# Altium PCB LimeSDR-Micro_M.2_1v0.PcbDoc (part 1 of 7) (continued)
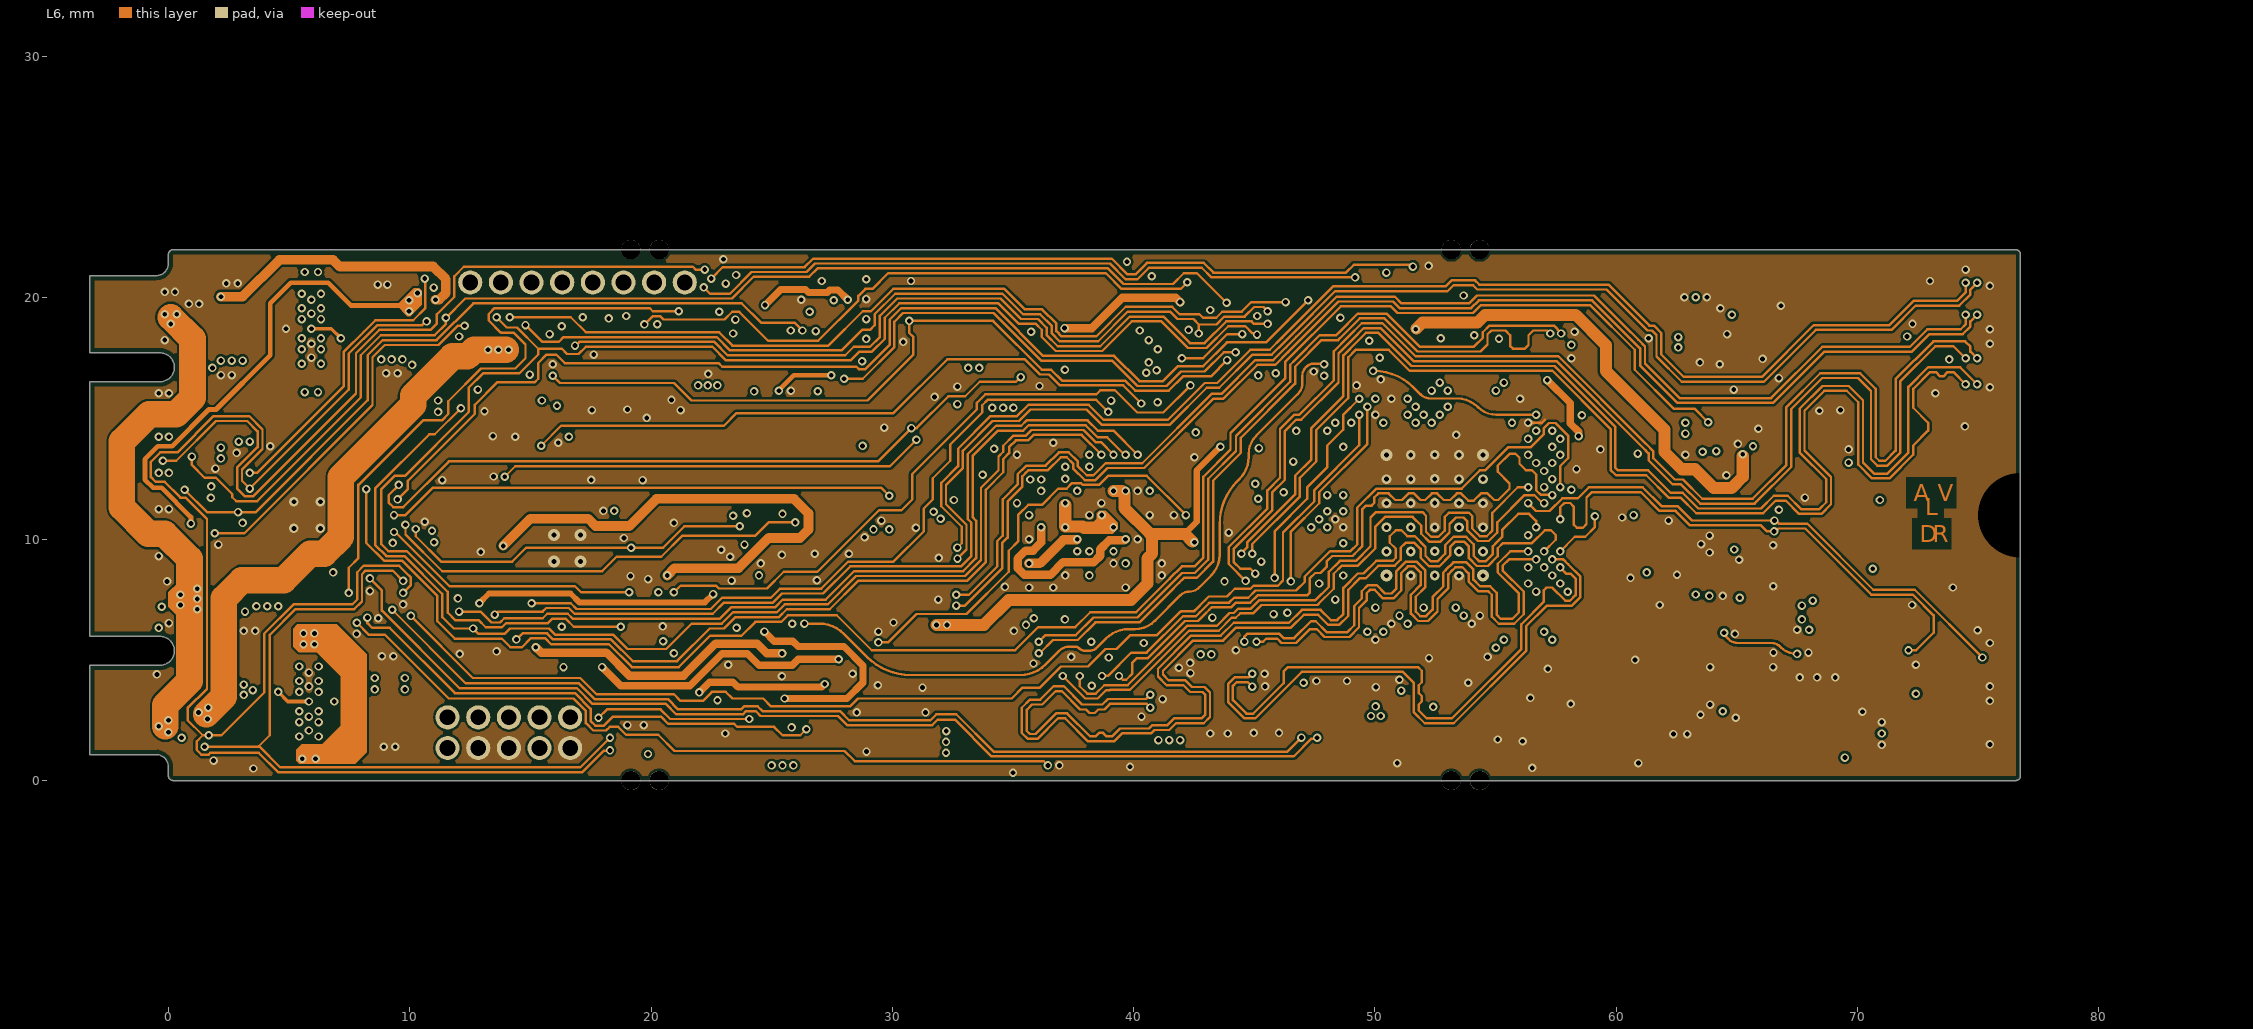
[diagram p6: L6]
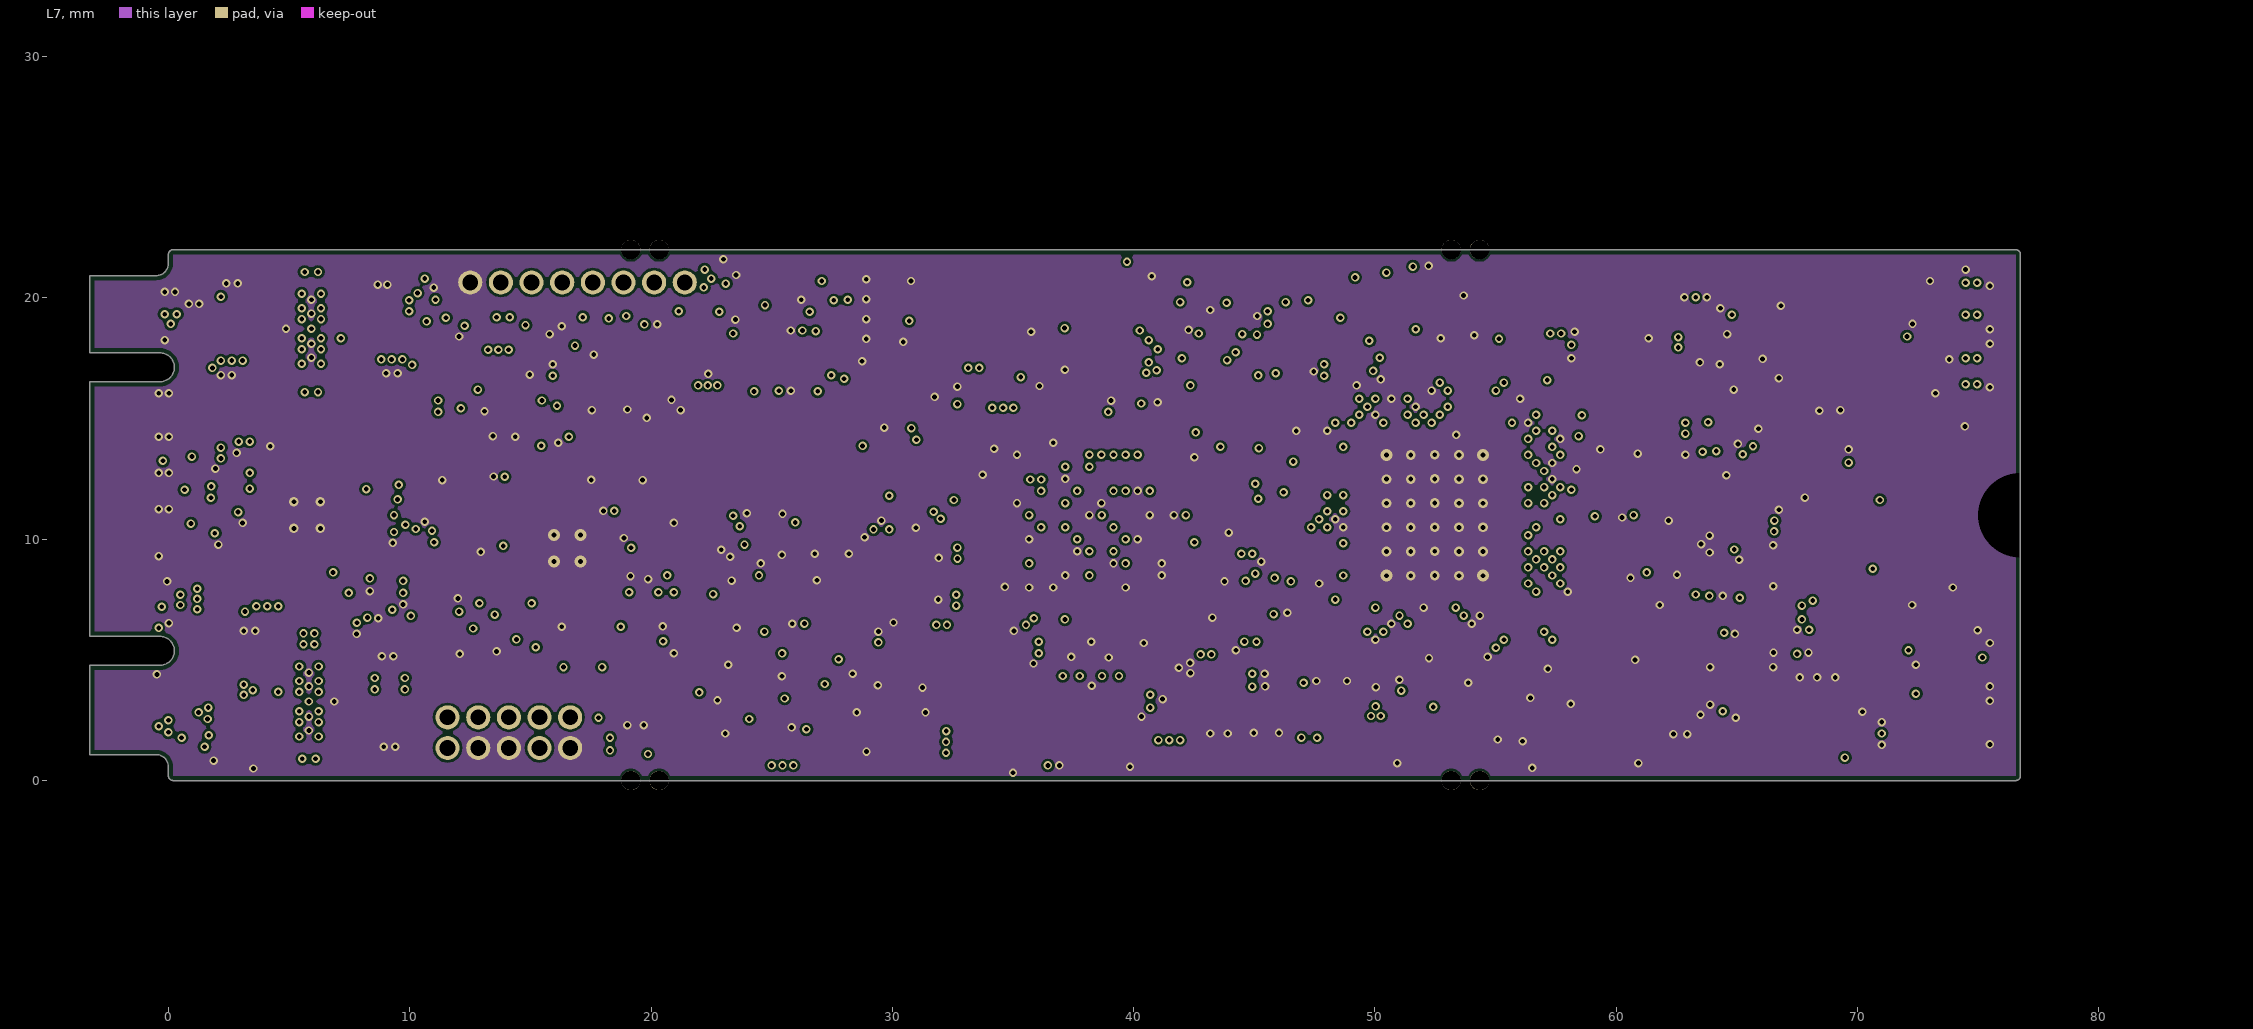
[diagram p7: L7]

## Layer stack, top to bottom
TopSolder: solder mask 0.0102, Solder Resist, Dk 3.5
Top: signal copper 0.0178
Dielectric1: prepreg 0.075, PP-006, Dk 4.1
L2: signal copper 0.0356
Dielectric2: core 0.075, Core-009, Dk 4.5
L3: signal copper 0.03
Dielectric3: prepreg 0.075, PP-006, Dk 4.1
L4: signal copper 0.034
Dielectric 4: core 0.1, Core-009, Dk 4.5
L5: signal copper 0.03
Dielectric 10: prepreg 0.075, PP-006, Dk 4.1
L6: signal copper 0.03
Dielectric 11: core 0.075, Core-009, Dk 4.5
L7: signal copper 0.03
Dielectric 8: prepreg 0.075, PP-006, Dk 4.1
Bottom: signal copper 0.0178
BottomSolder: solder mask 0.0102, Solder Resist, Dk 3.5

## Board outline
-3.25,1.075 -3.25,4.775 -0.35,4.775 ccw(c-0.35,5.375) -0.35,5.975 -3.25,5.975 -3.25,16.525 -0.35,16.525 ccw(c-0.35,17.125) -0.35,17.725 -3.25,17.725 -3.25,20.925 -0.5,20.925 ccw(c-0.5,21.425) 0,21.425 0,21.8 cw(c0.2,21.8) 0.2,22 76.55,22 cw(c76.55,21.8) 76.75,21.8 76.75,0.2 cw(c76.55,0.2) 76.55,0 0.2,0 cw(c0.2,0.2) 0,0.2 0,0.575 ccw(c-0.5,0.575) -0.5,1.075

## Design rules (kind name [scope] priority, off if disabled: settings)
BoardOutlineClearance [All] p1: gap=0.2 ignorepadtopadclearanceinfootprint=FALSE
Clearance [All] p1: gap=0.1 ignorepadtopadclearanceinfootprint=FALSE
ComponentClearance ComponentClearance_PCIE [HasFootprint('PCIE_M.2_2280_B+M_KEY')] p1: gap=-1 collisioncheckmode=3 verticalgap=2540 showdistances=FALSE
ComponentClearance ComponentClearance_CLK_RES [InComponent('IC7') vs InComponent('R75') or InComponent('R74') or InComponent('R84')or InComponent('C131')] p2: gap=-1 collisioncheckmode=3 verticalgap=2540 showdistances=FALSE
ComponentClearance ComponentClearance_RF_SHIELD [InComponent('MECH*') or InComponent('J3')] p3: gap=-10 collisioncheckmode=3 verticalgap=2540 showdistances=FALSE
ComponentClearance [All] p4: gap=0.01 collisioncheckmode=3 verticalgap=0.254 showdistances=FALSE
DiffPairsRouting DiffPairsRouting_USB3 [InNetClass('FX3_DATA')] p1: maxlimit=0.3 minlimit=0.1 mostfreqgap=0.14 toplayer_minwidth=0.2 toplayer_maxwidth=0.2 toplayer_prefwidth=0.2 midlayer1_minwidth=0.2 midlayer1_maxwidth=0.2 midlayer1_prefwidth=0.2 midlayer2_minwidth=0.2 midlayer2_maxwidth=0.2 midlayer2_prefwidth=0.2 midlayer3_minwidth=0.2 midlayer3_maxwidth=0.2 midlayer3_prefwidth=0.2 midlayer4_minwidth=0.2 midlayer4_maxwidth=0.2 midlayer4_prefwidth=0.2 midlayer7_minwidth=0.2 midlayer7_maxwidth=0.2 midlayer7_prefwidth=0.2 midlayer9_minwidth=0.2 midlayer9_maxwidth=0.2 midlayer9_prefwidth=0.2 bottomlayer_minwidth=0.2 bottomlayer_maxwidth=0.2 bottomlayer_prefwidth=0.2 maxuncoupledlength=12.7
DiffPairsRouting DiffPairsRouting_USB3_XTAL [InNet('FX3_XTAL_N') or InNet('FX3_XTAL_P')] p2: maxlimit=0.2 minlimit=0.1 mostfreqgap=0.1 toplayer_minwidth=0.1 toplayer_maxwidth=0.4 toplayer_prefwidth=0.1 midlayer1_minwidth=0.1 midlayer1_maxwidth=0.4 midlayer1_prefwidth=0.1 midlayer2_minwidth=0.1 midlayer2_maxwidth=0.4 midlayer2_prefwidth=0.1 midlayer3_minwidth=0.1 midlayer3_maxwidth=0.4 midlayer3_prefwidth=0.1 midlayer4_minwidth=0.1 midlayer4_maxwidth=0.4 midlayer4_prefwidth=0.1 midlayer7_minwidth=0.1 midlayer7_maxwidth=0.4 midlayer7_prefwidth=0.1 midlayer9_minwidth=0.1 midlayer9_maxwidth=0.4 midlayer9_prefwidth=0.1 bottomlayer_minwidth=0.1 bottomlayer_maxwidth=0.4 bottomlayer_prefwidth=0.1 maxuncoupledlength=0.2
DiffPairsRouting DiffPairsRouting_TX_RF [InNetClass('TX_RF')] p3: maxlimit=0.14 minlimit=0.1 mostfreqgap=0.1 toplayer_minwidth=0.1 toplayer_maxwidth=0.2 toplayer_prefwidth=0.1 midlayer1_minwidth=0.1 midlayer1_maxwidth=0.2 midlayer1_prefwidth=0.1 midlayer2_minwidth=0.1 midlayer2_maxwidth=0.2 midlayer2_prefwidth=0.1 midlayer3_minwidth=0.1 midlayer3_maxwidth=0.2 midlayer3_prefwidth=0.1 midlayer4_minwidth=0.1 midlayer4_maxwidth=0.2 midlayer4_prefwidth=0.1 midlayer7_minwidth=0.1 midlayer7_maxwidth=0.2 midlayer7_prefwidth=0.1 midlayer9_minwidth=0.1 midlayer9_maxwidth=0.2 midlayer9_prefwidth=0.1 bottomlayer_minwidth=0.1 bottomlayer_maxwidth=0.2 bottomlayer_prefwidth=0.1 maxuncoupledlength=0.2
DiffPairsRouting DiffPairsRouting_RX_RF [InNetClass('RX_RF')] p4: maxlimit=0.3 minlimit=0.1 mostfreqgap=0.1 toplayer_minwidth=0.1 toplayer_maxwidth=0.3 toplayer_prefwidth=0.1 midlayer1_minwidth=0.1 midlayer1_maxwidth=0.3 midlayer1_prefwidth=0.1 midlayer2_minwidth=0.1 midlayer2_maxwidth=0.3 midlayer2_prefwidth=0.1 midlayer3_minwidth=0.1 midlayer3_maxwidth=0.3 midlayer3_prefwidth=0.1 midlayer4_minwidth=0.1 midlayer4_maxwidth=0.3 midlayer4_prefwidth=0.1 midlayer7_minwidth=0.1 midlayer7_maxwidth=0.3 midlayer7_prefwidth=0.1 midlayer9_minwidth=0.1 midlayer9_maxwidth=0.3 midlayer9_prefwidth=0.1 bottomlayer_minwidth=0.1 bottomlayer_maxwidth=0.3 bottomlayer_prefwidth=0.1 maxuncoupledlength=0.2
DiffPairsRouting [All] p5: maxlimit=0.3 minlimit=0.1 mostfreqgap=0.1 toplayer_minwidth=0.1 toplayer_maxwidth=0.5 toplayer_prefwidth=0.2 midlayer1_minwidth=0.1 midlayer1_maxwidth=0.5 midlayer1_prefwidth=0.2 midlayer2_minwidth=0.1 midlayer2_maxwidth=0.5 midlayer2_prefwidth=0.2 midlayer3_minwidth=0.1 midlayer3_maxwidth=0.5 midlayer3_prefwidth=0.2 midlayer4_minwidth=0.1 midlayer4_maxwidth=0.5 midlayer4_prefwidth=0.2 midlayer7_minwidth=0.1 midlayer7_maxwidth=0.5 midlayer7_prefwidth=0.2 midlayer9_minwidth=0.1 midlayer9_maxwidth=0.5 midlayer9_prefwidth=0.2 bottomlayer_minwidth=0.1 bottomlayer_maxwidth=0.5 bottomlayer_prefwidth=0.2 maxuncoupledlength=12.7
FabricationTestPointUsage TestPointUsage [All] p1: valid=0 allowmultiple=FALSE
FabricationTestpoint Testpoint [All] p1: side=3 testpointundercomponent=TRUE minsize=1.016 maxsize=2.54 preferedsize=1.524 minholesize=0.508 maxholesize=1.016 preferedholesize=0.813 testpointgrid=0.025 allowsidetop=TRUE allowsidebottom=TRUE usegrid=TRUE gridtolerance=0
Height Height_Bottom [OnBottom] p1: minheight=0 maxheight=10 prefheight=1.35
Height Height_Top [OnTop] p2: minheight=0 maxheight=20 prefheight=1.5
HoleSize [All] p1: absolutevalues=TRUE maxlimit=10 minlimit=0.15 maxpercent=80.000 minpercent=20.000
HoleToHoleClearance [All] p1: gap=0.15 allowstackedmicrovias=TRUE
MatchedLengths MatchedLengths_FT_FIFO [InNetClass('FT_FIFO')] p1: tolerance=5 checknetsindiffpair=FALSE checkdiffpairvsdiffpair=TRUE checkxsignals=TRUE checkothers=TRUE
MatchedLengths MatchedLengths_LMS_PORT1 [InNetClass('LMS_PORT1')] p2: tolerance=7 checknetsindiffpair=FALSE checkdiffpairvsdiffpair=TRUE checkxsignals=TRUE checkothers=TRUE // tolerance increased due to MCLK being longer
MatchedLengths MatchedLengths_LMS_PORT2 [InNetClass('LMS_PORT2')] p3: tolerance=7.5 checknetsindiffpair=FALSE checkdiffpairvsdiffpair=TRUE checkxsignals=TRUE checkothers=TRUE // tolerance increased due to MCLK being longer
MinimumSolderMaskSliver [All] p1: minsoldermaskwidth=0.05
PlaneClearance [All] p1: clearance=0
PolygonConnect PolygonConnect_VCC3P3 [InNet('VCC3P3')] p1: connectstyle=Direct reliefconductorwidth=0.254 reliefentries=4 polygonreliefangle="90 Angle" airgapwidth=0.254
PolygonConnect PolygonConnect_GND_VIA [InNet('GND') and isvia] p2: connectstyle=Direct reliefconductorwidth=0.254 reliefentries=4 polygonreliefangle="90 Angle" airgapwidth=0.254
PolygonConnect PolygonConnect_GND_MMCX [HasFootprint('MMCX_UFL_CONN_V3_M') and IsPad and InNet('GND')] p3: connectstyle=Relief reliefconductorwidth=0.7 reliefentries=4 polygonreliefangle="90 Angle" airgapwidth=0.254
PolygonConnect PolygonConnect_GND [InNet('GND') and (OnTopLayer or OnBottomLayer)] p4: connectstyle=Relief reliefconductorwidth=0.254 reliefentries=4 polygonreliefangle="90 Angle" airgapwidth=0.254
PolygonConnect PolygonConnect_GND_inner [InNet('GND') and not (OnTopLayer or OnBottomLayer)] p5: connectstyle=Direct reliefconductorwidth=0.254 reliefentries=4 polygonreliefangle="90 Angle" airgapwidth=0.254
PolygonConnect PolygonConnect_VCC1P0_INT [InNet('VCC1P0_INT')] p6: connectstyle=Direct reliefconductorwidth=0.254 reliefentries=4 polygonreliefangle="90 Angle" airgapwidth=0.254
PolygonConnect PolygonConnect_2P05 [InNet('VCC2P05')] p7: connectstyle=Direct reliefconductorwidth=0.254 reliefentries=4 polygonreliefangle="90 Angle" airgapwidth=0.254
PolygonConnect PolygonConnect_1P35 [InNet('VCC1P35')] p8: connectstyle=Direct reliefconductorwidth=0.254 reliefentries=4 polygonreliefangle="90 Angle" airgapwidth=0.254
PolygonConnect PolygonConnect_1P35_SW [InNet('VCC1P35_SW')] p9: connectstyle=Direct reliefconductorwidth=0.254 reliefentries=4 polygonreliefangle="90 Angle" airgapwidth=0.254
PolygonConnect PolygonConnect_0P9 [InNet('VCC0P9')] p10: connectstyle=Direct reliefconductorwidth=0.254 reliefentries=4 polygonreliefangle="90 Angle" airgapwidth=0.254
PolygonConnect PolygonConnect_1P5 [InNet('VCC1P5')] p11: connectstyle=Direct reliefconductorwidth=0.254 reliefentries=4 polygonreliefangle="90 Angle" airgapwidth=0.254
PolygonConnect PolygonConnect_VCC_EXT [InNet('VCC_EXT')] p12: connectstyle=Direct reliefconductorwidth=0.254 reliefentries=4 polygonreliefangle="90 Angle" airgapwidth=0.254
PolygonConnect PolygonConnect_VCC1P2_MGTAVTT [InNet('VCC1P2_MGTAVTT')] p13: connectstyle=Direct reliefconductorwidth=0.254 reliefentries=4 polygonreliefangle="90 Angle" airgapwidth=0.254
PolygonConnect PolygonConnect_VCC1P8 [InNet('VCC1P8')] p14: connectstyle=Direct reliefconductorwidth=0.254 reliefentries=4 polygonreliefangle="90 Angle" airgapwidth=0.254
PolygonConnect PolygonConnect_VCC1P8_LMS [InNet('VCC1P8_LMS')] p15: connectstyle=Direct reliefconductorwidth=0.254 reliefentries=4 polygonreliefangle="90 Angle" airgapwidth=0.254
PolygonConnect PolygonConnect_VDIO_LMS [InNet('VDIO_LMS')] p16: connectstyle=Direct reliefconductorwidth=0.254 reliefentries=4 polygonreliefangle="90 Angle" airgapwidth=0.254
PolygonConnect PolygonConnect_VDIO_LMS_FPGA [InNet('VDIO_LMS_FPGA')] p17: connectstyle=Direct reliefconductorwidth=0.254 reliefentries=4 polygonreliefangle="90 Angle" airgapwidth=0.254
PolygonConnect [All] p18: connectstyle=Relief reliefconductorwidth=0.254 reliefentries=4 polygonreliefangle="90 Angle" airgapwidth=0.254
RoutingVias [All] p1: holewidth=0.2 width=0.4 viastyle="Through Hole" minholewidth=0.15 minwidth=0.3 maxholewidth=4.5 maxwidth=5
SilkToSilkClearance [All] p1: silktosilkclearance=0.1
SilkToSolderMaskClearance SilkscreenOverComponentPads [IsPad] p1: minsilkscreentomaskgap=0.1 clearancetoexposedcopper=TRUE
SolderMaskExpansion [All] p1: expansion=0.05
Width Width_ClumsyConnection [All] p1: maxlimit=7 minlimit=0.1 preferedwidth=0.2 checkconnectedcopper=TRUE
Width [All] p2: maxlimit=5 minlimit=0.1 preferedwidth=0.2
19 further rules are at their usual default settings.

## Classes and differential pairs
net class VCC3P3_M.2: VCC3P3_M.2
net class LA_RO1_EXT: LA_RO1_EXT_I_N LA_RO1_EXT_I_P LA_RO1_EXT_Q_N LA_RO1_EXT_Q_P
net class LA_RO0_EXT: LA_RO0_EXT_I_N LA_RO0_EXT_I_P LA_RO0_EXT_Q_N LA_RO0_EXT_Q_P
net class LMS_TX1_BB: LMS_TX1_BB_I_N LMS_TX1_BB_I_P LMS_TX1_BB_Q_N LMS_TX1_BB_Q_P
net class LMS_RX2_BB: LMS_RX2_BB_I_N LMS_RX2_BB_I_P LMS_RX2_BB_Q_N LMS_RX2_BB_Q_P
net class LMS_RX1_BB: LMS_RX1_BB_I_N LMS_RX1_BB_I_P LMS_RX1_BB_Q_N LMS_RX1_BB_Q_P
net class LA_TX: LA_TX_I_N LA_TX_I_P LA_TX_Q_N LA_TX_Q_P
net class LA_RX1: LA_RX1_I_N LA_RX1_I_P LA_RX1_Q_N LA_RX1_Q_P
net class LA_RX0: LA_RX0_I_N LA_RX0_I_P LA_RX0_Q_N LA_RX0_Q_P
net class VCC3P3_RF: VCC3P3_RF
net class VCC1P35_SW: VCC1P35_SW
net class VCC1P35_LDO: VCC1P35_LDO
net class VCC1P8_CLK: VCC1P8_CLK
net class BOM_VER: BOM_VER0 BOM_VER1
net class VCC2P5: VCC2P05
net class VCC1P75: VCC1P75
net class VCC1P5: VCC1P5
net class VCC1P35: VCC1P35
net class VCC1P8: VCC1P8
net class VCC0P9: VCC0P9
component class 10_Clock: C180 C181 C182 C183 C184 C185 C186 C187 C188 C189 C190 C191 C192 C193 C194 C195 C196 C197 C198 C199 C200 C201 C202 C203 C204 C205 C206 C207 C208 C209 C210 C211 C212 C213 C214 C215 C216 C217 ESD6 FR39 FR40 FR41 IC15 IC16 IC17 IC18 IC19 IC20 IC21 IC22 IC23 IC24 J4 J5 J6 J7 R151 R152 R153 R154 R155 R156 R157 R158 R159 R160 R161 R162 R163 R164 R165 R166 R167 R168 R169 R170 R171 R172 R173 R174 R175 R176 R177 R178 R179 R180 R181 R182 R183 R184 R185 R186 R187 R188 R189 R190 R191 R192 R193 R194 R195 R196 R197 XO1 XO2
component class 08_BB_Processor: C112 C113 C114 C115 C116 C117 C118 C119 C120 C121 C122 C123 C124 C125 C126 C127 C128 C129 C130 C131 C132 C133 C134 C135 C136 C137 C138 C139 C140 C141 C142 C143 C144 C145 C146 C147 C148 C149 C150 C151 C152 C153 C154 C155 C156 C157 C158 C159 C160 C161 C162 D1 IC6 IC7 J1 R72 R73 R74 R75 R76 R77 R78 R79 R80 R81 R82 R83 R84 R85 R86 R87 R88 R89 R90 R91 R92 R93 R94 R95 R96 R97 R98 R99 R100 R101 R102 R103 R104 R105 R106 R107 R108 R109 R110 R111 R112 TP1 X13
net class VCC_CLK: VCC_CLK
net class VCC3P3: VCC3P3
net class VCC3P3_CLK: VCC3P3_CLK
component class 09_Misc: C163 C164 C165 C166 C167 C168 C169 C170 C171 C172 C173 C174 C175 C176 C177 C178 C179 ESD5 FR36 FR37 FR38 IC8 IC9 IC10 IC11 IC12 IC13 IC14 J2 J3 L1 LED1 LED2 R113 R114 R115 R116 R117 R118 R119 R120 R121 R122 R123 R124 R125 R126 R127 R128 R129 R130 R131 R132 R133 R134 R135 R136 R137 R138 R139 R140 R141 R142 R143 R144 R145 R146 R147 R148 R149 R150 VT1 VT2 X5
component class 11_Power: C218 C219 C220 C221 C222 C223 C224 C225 C226 C227 C228 C229 C230 C231 C232 C233 C234 C235 C236 C237 C238 C239 C240 C241 C242 C243 C244 C245 C246 C247 C248 C249 C250 C251 C252 C253 C254 C255 C256 C257 F1 F2 F3 F4 F5 F6 F7 F8 FL1 FL2 FR42 FR43 FR44 FR45 FR46 FR47 FR48 FR49 FR50 FR51 IC25 IC26 IC27 IC28 IC29 IC30 IC31 IC32 L2 L3 L4 L5 L6 L7 L8 L9 MECH1 MECH2 R198 R199 R200 R201 R202 R203 R204 R205 R206 R207 R208 R209 R210 R211 R212 R213 R214 R215 R216 R217 R218 R219 R220 R221 R222 R223
net class VDIO_LMS: VDIO_LMS
net class VCC1P8_LMS: VCC1P8_LMS
net class RF_RX: RX1_H RX1_H_A_N RX1_H_A_P RX1_H_B_N RX1_H_B_P RX1_L RX1_L_A_N RX1_L_A_P RX1_L_B_N RX1_L_B_P RX1_W RX1_W_A_N RX1_W_A_P RX1_W_B_N RX1_W_B_P RX2_H RX2_H_A_N RX2_H_A_P RX2_H_B_N RX2_H_B_P RX2_L RX2_L_A_N RX2_L_A_P RX2_L_B_N RX2_L_B_P RX2_W RX2_W_A_N RX2_W_A_P RX2_W_B_N RX2_W_B_P
net class RF_TX: TX1_1 TX1_1_A_N TX1_1_A_P TX1_1_B_N TX1_1_B_P TX1_2 TX1_2_A_N TX1_2_A_P TX1_2_B_N TX1_2_B_P
component class 07_LMS7002M_Power: C52 C53 C54 C55 C56 C57 C58 C59 C60 C61 C62 C63 C64 C65 C66 C67 C68 C69 C70 C71 C72 C73 C74 C75 C76 C77 C78 C79 C80 C81 C82 C83 C84 C85 C86 C87 C88 C89 C90 C91 C92 C93 C94 C95 C96 C97 C98 C99 C100 C101 C102 C103 C104 C105 C106 C107 C108 C109 C110 C111 FR5 FR6 FR7 FR8 FR9 FR10 FR11 FR12 FR13 FR14 FR15 FR16 FR17 FR18 FR19 FR20 FR21 FR22 FR23 FR24 FR25 FR26 FR27 FR28 FR29 FR30 FR31 FR32 FR33 FR34 FR35 R65 R66 R67 R68 R69 R70 R71
component class 06_LMS7002M_RF: C29 C30 C31 C32 C33 C34 C35 C36 C37 C38 C39 C40 C41 C42 C43 C44 C45 C46 C47 C48 C49 C50 C51 ESD1 ESD2 ESD3 ESD4 FR1 FR2 FR3 FR4 IC3 IC4 IC5 MN1 MN2 MN3 MN4 MN5 MN6 MN7 MN8 MN9 MN10 MN11 MN12 MN13 MN14 MN15 MN16 MN17 MN18 MN19 MN20 MN21 MN22 MN23 MN24 MN25 MN26 MN27 MN28 MN29 MN30 MN31 MN32 MN33 MN34 MN35 MN36 MN37 MN38 MN39 MN40 MN41 MN100 MN101 MN102 MN103 R59 R60 R61 R62 R63 R64 T1 T2 T3 T4 T5 T6 T7 T8 X1 X2 X3 X4
net class CLK_PATH: ADF_REF_IN ADF_RF_IN CLK_OUT CLK_XO EXT_PPS_IN EXT_PPS_OUT GNSS_1PPS LA_PPS_IN LA_PPS_IN_LS LA_PPS_OUT LA_PPS_OUT_LS LMS_CLK NetC192_2 NetC281_1 NetIC17_4 NetIC18_1 NetIC18_4 NetR182_1 PCIE_PPS_IN PCIE_PPS_OUT
component class 05_LMS7002M_Misc: C1 C2 C3 C4 C5 C6 C7 C8 C9 C10 C11 C12 C13 C14 C15 C16 C17 C18 C19 C20 C21 C22 C23 C24 C25 C26 C27 C28 IC1 IC2 R1 R2 R3 R4 R5 R6 R7 R8 R9 R10 R11 R12 R13 R14 R15 R16 R17 R18 R19 R20 R21 R22 R23 R24 R25 R26 R27 R28 R29 R30 R31 R32 R33 R34 R35 R36 R37 R38 R39 R40 R41 R42 R43 R44 R45 R46 R47 R48 R49 R50 R51 R52 R53 R54 R55 R56 R57 R58 X8
net class LA_SPI_LMS: LA_SPI_LMS_SS LA_SPI_MISO LA_SPI_MOSI LA_SPI_SCLK NetC7_2 NetIC1_D28 NetIC1_F28 NetIC1_F30
net class LMS_I2C: LMS_I2C_SCL LMS_I2C_SDA
net class RF_CTRL: TX_SW_DIV
net class VCC1P4_LMS: VCC1P4_LMS
net class VCC1P25_LMS: VCC1P25_LMS
differential pair PCIE_REF_CLK: +PCIE_REF_CLK_P -PCIE_REF_CLK_N
differential pair PCIE_PET0: +PCIE_PET0_P -PCIE_PET0_N
differential pair PCIE_PER0: +PCIE_PER0_P -PCIE_PER0_N
differential pair T0: +T0_P -T0_N
differential pair R1: +R1_P -R1_N
differential pair C1: +C1_P -C1_N
differential pair LMS_TX2_BB_I: +LMS_TX2_BB_I_P -LMS_TX2_BB_I_N
differential pair LMS_TX2_BB_Q: +LMS_TX2_BB_Q_P -LMS_TX2_BB_Q_N
differential pair LA_TX_Q: +LA_TX_Q_P -LA_TX_Q_N
differential pair LA_TX_I: +LA_TX_I_P -LA_TX_I_N
differential pair LMS_TX1_BB_Q: +LMS_TX1_BB_Q_P -LMS_TX1_BB_Q_N
differential pair LMS_TX1_BB_I: +LMS_TX1_BB_I_P -LMS_TX1_BB_I_N
differential pair LMS_RX2_BB_Q: +LMS_RX2_BB_Q_P -LMS_RX2_BB_Q_N
differential pair LMS_RX2_BB_I: +LMS_RX2_BB_I_P -LMS_RX2_BB_I_N
differential pair LMS_RX1_BB_Q: +LMS_RX1_BB_Q_P -LMS_RX1_BB_Q_N
differential pair LMS_RX1_BB_I: +LMS_RX1_BB_I_P -LMS_RX1_BB_I_N
differential pair LMS_BB_DRV2B: +LMS_BB_DRV2B_P -LMS_BB_DRV2B_N
differential pair LMS_BB_DRV2BC: +LMS_BB_DRV2BC_P -LMS_BB_DRV2BC_N
differential pair LMS_BB_DRV2A: +LMS_BB_DRV2A_P -LMS_BB_DRV2A_N
differential pair LMS_BB_DRV2AC: +LMS_BB_DRV2AC_P -LMS_BB_DRV2AC_N
differential pair LMS_BB_DRV1B: +LMS_BB_DRV1B_P -LMS_BB_DRV1B_N
differential pair LMS_BB_DRV1BC: +LMS_BB_DRV1BC_P -LMS_BB_DRV1BC_N
differential pair LMS_BB_DRV1A: +LMS_BB_DRV1A_P -LMS_BB_DRV1A_N
differential pair LMS_BB_DRV1AC: +LMS_BB_DRV1AC_P -LMS_BB_DRV1AC_N
differential pair LA_RX1_Q: +LA_RX1_Q_P -LA_RX1_Q_N
differential pair LA_RX1_I: +LA_RX1_I_P -LA_RX1_I_N
differential pair LA_RX0_Q: +LA_RX0_Q_P -LA_RX0_Q_N
differential pair LA_RX0_I: +LA_RX0_I_P -LA_RX0_I_N
differential pair LA_RO1_Q: +LA_RO1_Q_P -LA_RO1_Q_N
differential pair LA_RO1_I: +LA_RO1_I_P -LA_RO1_I_N
differential pair LA_RO1_EXT_Q: +LA_RO1_EXT_Q_P -LA_RO1_EXT_Q_N
differential pair LA_RO1_EXT_I: +LA_RO1_EXT_I_P -LA_RO1_EXT_I_N
differential pair LA_RO0_Q: +LA_RO0_Q_P -LA_RO0_Q_N
differential pair LA_RO0_I: +LA_RO0_I_P -LA_RO0_I_N
differential pair LA_RO0_EXT_Q: +LA_RO0_EXT_Q_P -LA_RO0_EXT_Q_N
differential pair LA_RO0_EXT_I: +LA_RO0_EXT_I_P -LA_RO0_EXT_I_N
differential pair RX1_L_A: +RX1_L_A_P -RX1_L_A_N
differential pair TX1_2_B: +TX1_2_B_P -TX1_2_B_N
differential pair TX1_2_A: +TX1_2_A_P -TX1_2_A_N
differential pair RX2_W_B: +RX2_W_B_P -RX2_W_B_N
differential pair RX1_L_B: +RX1_L_B_P -RX1_L_B_N
differential pair RX2_W_A: +RX2_W_A_P -RX2_W_A_N
differential pair RX2_L_B: +RX2_L_B_P -RX2_L_B_N
differential pair RX2_L_A: +RX2_L_A_P -RX2_L_A_N
differential pair RX2_H_B: +RX2_H_B_P -RX2_H_B_N
differential pair RX2_H_A: +RX2_H_A_P -RX2_H_A_N
differential pair RX1_W_B: +RX1_W_B_P -RX1_W_B_N
differential pair RX1_W_A: +RX1_W_A_P -RX1_W_A_N
differential pair TX1_1_B: +TX1_1_B_P -TX1_1_B_N
differential pair TX1_1_A: +TX1_1_A_P -TX1_1_A_N
differential pair RX1_H_B: +RX1_H_B_P -RX1_H_B_N
differential pair RX1_H_A: +RX1_H_A_P -RX1_H_A_N
